# KiCad board MB1075.kicad_pcb (continued)
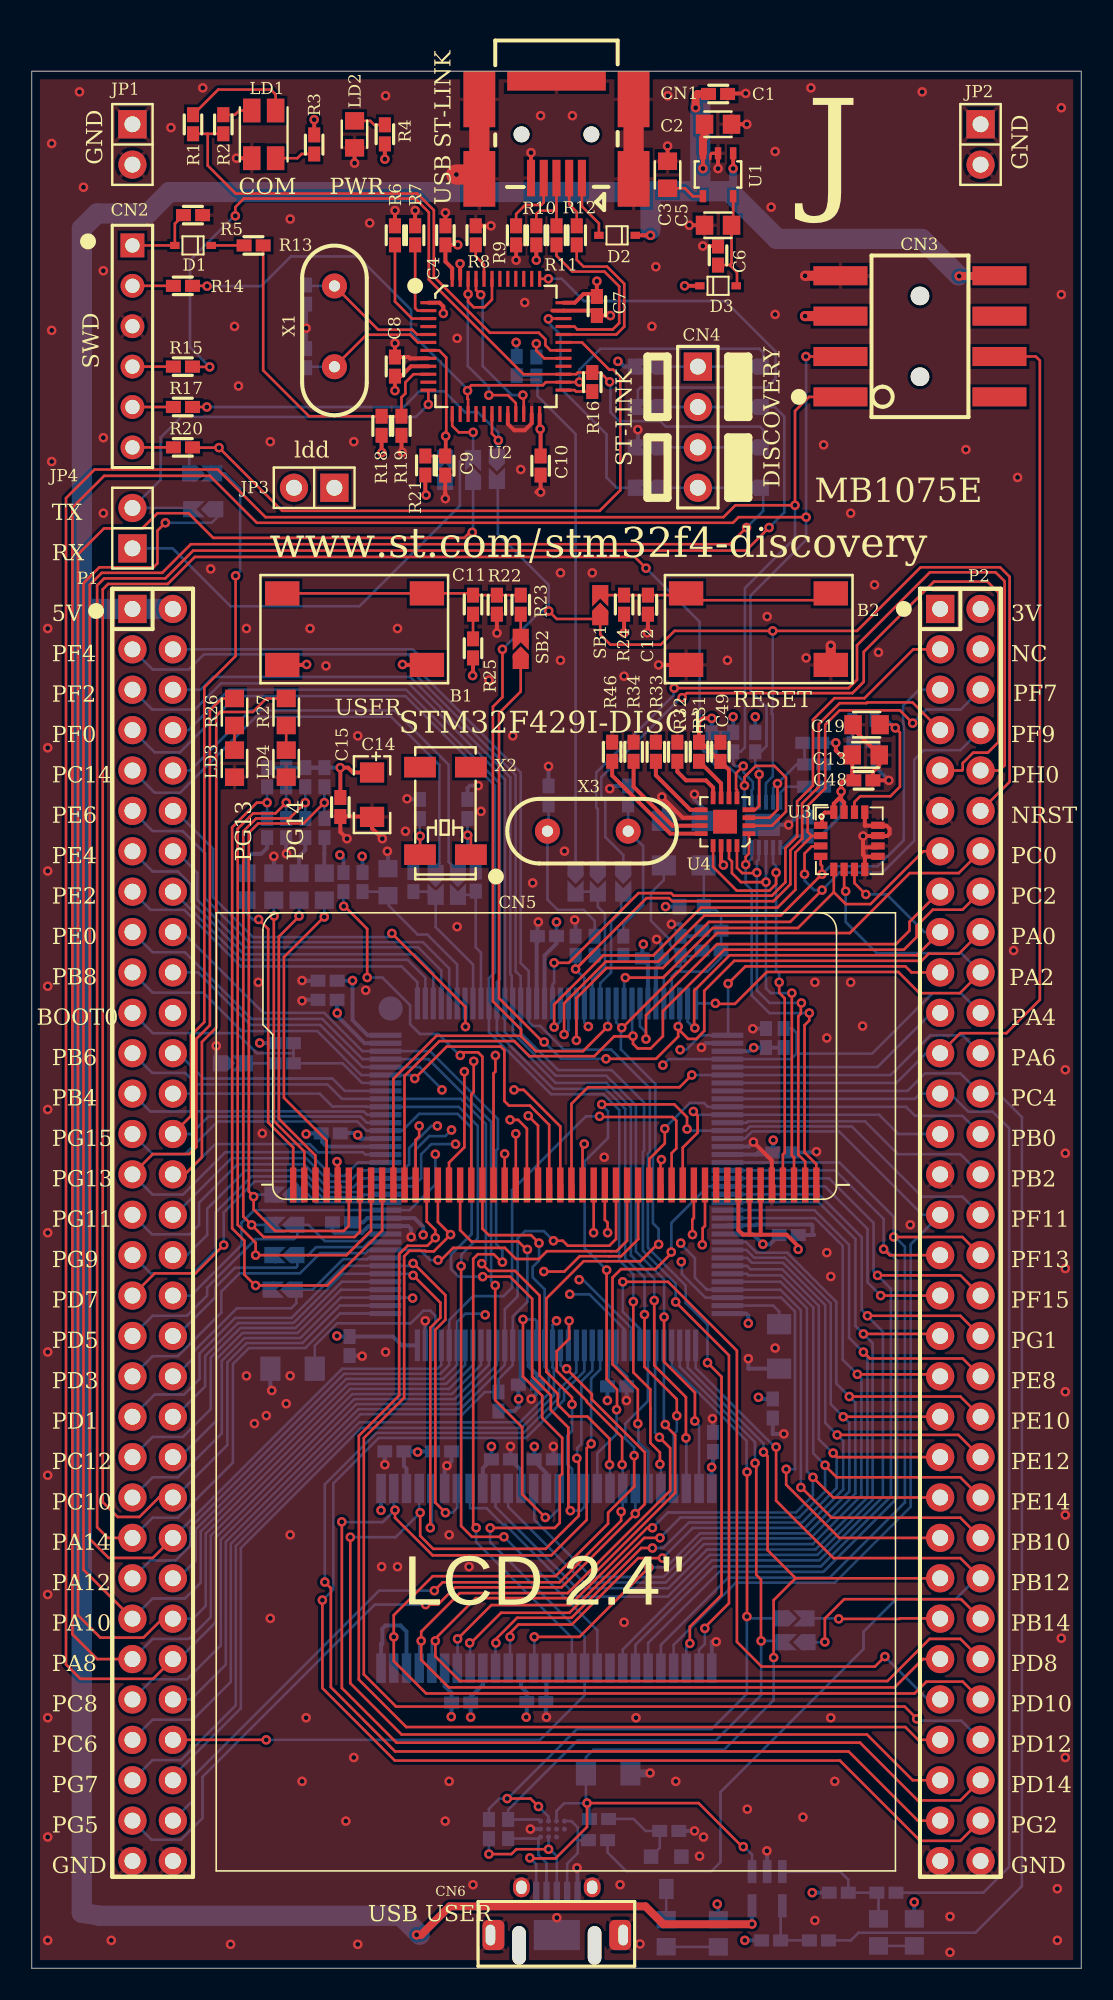
[diagram p0: board, top side]
## Routing (per net, layer and track width the routed paths; a pad name or vN(x,y) marks a point on that pad's centre or on a via; arc(x,y) is an arc through that point) (continued)
NetC24_1: length 5.1
  TOP w0.165: X2.1 27.61,71.31 27.41,71.31 v1(27.41,71.26)
  Bottom w0.165: C24.1 27.4,71.26 v1(27.41,71.26) 27.41,70.27 27.92,69.76 R54.2
NetC25_1: length 11.9
  Bottom w0.165: U5.32 39.75,62.32 40.43,63 40.8,63 40.8,63.65 ; 40.8,63.65 41.8,63.65 R58.2 ; 40.8,63.65 C30.1 40.14,64.36 40.14,64.68 38.94,65.87 38.94,67.62 39.75,68.43 C25.1
NetC26_1: length 12.1
  Bottom w0.165: U5.33 40.25,62.37 40.55,62.67 42.48,62.67 43.35,63.54 R58.1 C31.2 43.35,66.21 43.02,66.54 42.26,66.54 L1.2 42.26,69.3 42.3,69.34 42.3,69.35 C26.1
NetC28_2: length 10.7
  Bottom w0.165: R52.1 22.2,67.7 22.46,67.45 ; 22.46,67.45 22.46,66.81 24.27,65 24.88,65 26.75,63.13 U5.6 ; 22.46,67.45 22.46,67.45 C28.2
NetC41_1: length 4.2
  Bottom w0.165: C41.1 47,41.3 46.63,41.67 U5.71
NetC42_1: length 12
  Bottom w0.165: C42.1 17.8,39.15 19.2,40.55 23.83,40.55 24.63,41.35 25.06,41.35 25.38,41.03 25.38,40.55 25.25,40.42 U5.106
NetC54_1: length 1.4
  Bottom w0.21: C54.1 51.6,77.2 R75.2
NetCN1_2: length 3.2
  TOP w0.165: R12.1 34.27,110.45 33.8,110.92 CN1.2
NetCN1_3: length 5.1
  TOP w0.165: 33,110.52 CN1.3 ; 33,110.52 33,109.57 R11.1 ; 33,110.52 31.94,110.52 31.73,110.32 R10.1
NetCN1_4: length 4.3
  TOP w0.165: R9.1 30.46,110.32 31.03,110.88 32.04,110.88 32.2,111.04 CN1.4
NetCN2_1: length 4.8
  TOP w0.165: CN2.1 D1.1 9,109.7 R5.1
NetCN2_2: length 2.6
  TOP w0.165: CN2.2 R14.1
NetCN2_4: length 2.6
  TOP w0.165: CN2.4 R15.1
NetCN2_5: length 2.6
  TOP w0.165: CN2.5 R17.1
NetCN2_6: length 2.6
  TOP w0.165: CN2.6 R20.1
NetCN4_1: length 5.2
  Bottom w0.165: 39.22,100.72 CN4.1 44.47,100.72
NetCN4_2: length 5.2
  Bottom w0.165: 39.22,98.18 CN4.2 44.47,98.18
NetCN4_3: length 5.2
  Bottom w0.165: 44.47,95.64 CN4.3 39.22,95.64
NetCN4_4: length 5.2
  Bottom w0.165: 44.47,93.1 CN4.4 39.22,93.1
NetCN5_45: length 20.9
  TOP w0.165: 18.65,48.43 18.65,49.26 ; CN5.45 18.54,52.05 15.86,54.74 15.86,63.58 18.38,66.11 v1(18.39,66.11)
  Bottom w0.165: v1(18.39,66.11) R50.2
NetCN5_46: length 20.2
  TOP w0.165: v1(16.81,66.17) 16.81,66.14 15.54,64.87 15.54,53.41 17.84,51.11 CN5.46 ; 17.95,48.43 17.95,49.26
  Bottom w0.165: v1(16.81,66.17) R49.2
NetCN5_47: length 19.6
  TOP w0.165: v1(15.24,66.17) 15.22,66.17 15.22,53.28 17.14,51.36 CN5.47 ; 17.25,48.43 17.25,49.26
  Bottom w0.165: R48.2 15.22,66.17 v1(15.24,66.17)
NetCN5_48: length 20.2
  TOP w0.165: v1(14.27,65.95) 14.87,65.35 14.87,53.18 16.44,51.61 CN5.48 ; 16.55,48.43 16.55,49.26
  Bottom w0.165: R47.2 13.47,66.38 13.9,65.95 v1(14.27,65.95)
NetCN6_2: length 5.7
  Bottom w0.165: 31.9,8.15 U7.D1 ; 31.9,8.15 R64.2 ; 31.9,8.15 31.86,8.12 31.86,7.12 32.37,6.62 CN6.2 ; 32.35,4.75 32.35,4.76
NetCN6_3: length 8.6
  TOP w0.165: v1(28.75,7.18) 30.17,7.18 30.47,7.48 v1(32.5,7.48)
  Bottom w0.165: R63.2 28.75,7.18 v1(28.75,7.18) ; U7.C1 32.5,7.56 33.02,7.04 CN6.3 ; 33,4.75 33,4.76
NetCN6_4: length 6
  Bottom w0.165: U7.A3 33.93,9.25 34.34,8.84 34.34,8.05 ; 34.34,8.05 34.34,7.24 33.67,6.57 CN6.4 ; 34.34,8.05 R67.2 ; 33.65,4.75 33.65,4.76
NetD1_2: length 2.1
  TOP w0.165: D1.2 R13.1
NetLD1_2: length 1.9
  TOP w0.165: LD1.2 13.05,116.82 12.78,116.56 R2.2
NetLD1_3: length 7
  TOP w0.165: R1.2 11.72,118.14 15.03,118.14 15.33,117.84 LD1.3
NetLD1_4: length 2.5
  TOP w0.165: LD1.4 16.7,113.82 16.97,114.09 R3.1
NetLD2_1: length 2
  TOP w0.165: LD2.1 21.28,116.17 21.53,115.92 R4.1
NetLD3_1: length 1.5
  TOP w0.165: LD3.1 R26.2
NetLD4_1: length 1.5
  TOP w0.165: LD4.1 R27.2
NetLD5_1: length 3.3
  Bottom w0.165: R70.1 39.9,1.34 LD5.1
NetLD5_2: length 1.9
  Bottom w0.165: LD5.2 39.9,4.98 T1.3
NetLD6_1: length 2.3
  Bottom w0.165: 53.37,1.4 R73.1
  Bottom w0.5: LD6.1 53.37,1.4
NetLD6_2: length 8.7
  Bottom w0.165: U8.3 50.84,6.07 51.35,5.56 R68.1 R69.1 53.25,4.75 LD6.2
NetP2_51: length 8.6
  TOP w0.165: P2.51 57.13,22 54.61,22 54.58,21.97 v1(50.75,21.97)
  Bottom w0.165: v1(50.75,21.97) 50.75,22 48.6,22
NetP2_52: length 13.7
  TOP w0.165: v1(49.88,20.52) 49.88,22 51.09,23.21 58.44,23.21 P2.52
  Bottom w0.165: 48.5,20.5 49.88,20.5 v1(49.88,20.52)
NetR6_2: length 6.1
  TOP w0.165: U2.3 23.91,103.74 22.84,104.81 R6.2
NetR7_2: length 4.9
  TOP w0.165: R7.2 24.11,104.4 24.27,104.24 U2.2
NetR8_2: length 2.4
  TOP w0.165: R8.2 27.92,107.65 28.44,107.13 U2.44
NetR23_1: length 1.6
  TOP w0.165: 30.75,83.6 R23.1
NetR28_1: length 3.2
  TOP w0.165: U2.29 32.23,101.24 31.73,101.74 v1(31.73,102.16)
  Bottom w0.165: R28.1 v1(31.73,102.16)
NetR31_2: length 2.9
  TOP w0.25: U4.7 43.35,74.52 R31.2
NetR32_1: length 4
  TOP w0.25: R32.1 40.6,75.25 41.15,74.7 42.4,74.7 42.85,74.25 U4.8
NetR33_1: length 4.6
  TOP w0.25: U4.9 41.42,72.85 39.25,75.02 R33.1
NetR34_1: length 6.9
  TOP w0.25: R34.1 37.85,74.3 40.3,71.85 U4.11
NetR46_1: length 8
  TOP w0.25: R46.1 36.5,75.01 40.16,71.35 U4.12
NetR61_1: length 2
  Bottom w0.165: 13.28,56.91 R61.1
NetR65_1: length 5.4
  Bottom w0.165: R65.1 37.85,9.38 38.6,8.63 R66.1 39.49,7.56 T1.1
NetR71_1: length 4.1
  Bottom w0.165: U8.4 47.1,3.93 R71.1 R72.2
NetR74_2: length 2.3
  Bottom w0.165: R74.2 47.45,74.3 47.07,73.92 U9.12
NRST: length 123.3
  TOP w0.165: 35.75,84.85 35.75,85.25 ; 35.75,84.85 35.75,83.87 36.38,83.24 39.56,83.24 40.42,84.1 v1(46.6,84.1) 51.9,84.1 55.9,88.1 60.9,88.1 61.5,87.5 61.5,74.61 P2.12 ; 35.75,84.85 33.01,84.85 v1(32.51,85.35) ; 30.77,58.6 30.73,58.64 25.45,58.64 22.74,55.93 CN5.39 ; 30.77,58.6 31.7,57.67 34.67,57.67 v1(36.22,59.22) ; 30.77,58.6 30.77,59.03 29,60.8 29,79.33 29.6,79.93 v1(29.6,82.94) ; 22.85,48.43 22.85,49.26
  Bottom w0.165: v1(32.51,85.35) 32.51,86.99 29.31,90.2 29.31,93.65 29.25,93.65 ; v1(29.6,82.94) 32,85.34 32.5,85.34 ; v1(46.6,84.1) 46.5,84.1 46.6,84 46.6,79.26 46.54,79.21 46.54,78.91 46.6,78.85 46.6,74.95 46.17,74.53 U9.10 ; U5.25 36.25,59.29 36.18,59.22 v1(36.22,59.22)
OSC_IN: length 9
  TOP w0.165: X1.2 21.79,103.04 23.94,103.04 24.23,102.74 U2.5
  Bottom w0.165: X1.2 17.25,105.79 C16.1
OSC_OUT: length 8.8
  TOP w0.165: U2.6 24.28,102.24 23.79,102.72 21.05,102.72 X1.1
  Bottom w0.165: X1.1 17.25,100.71 C17.1
PA0: length 61.2
  TOP w0.165: 40.65,59.06 40.65,58.58 39.26,57.19 v1(36.12,57.19) ; 40.65,59.06 41.27,58.44 41.79,58.44 42.29,58.94 42.29,61.47 44.18,63.35 55.95,63.35 56.4,63.8 58.31,63.8 P2.18 ; 40.65,59.06 v1(40.65,59.22) ; 30.75,82.5 30.75,80.29 29.39,78.92 29.39,61 32.14,58.24 v1(32.22,58.24)
  Bottom w0.165: U5.34 40.75,59.22 v1(40.65,59.22) ; v1(32.22,58.24) 32.24,58.24 33.29,57.19 v1(36.12,57.19)
PA1: length 28.6
  TOP w0.165: v1(41.7,59.13) 41.66,59.13 41.66,61.48 43.88,63.7 55.67,63.7 P2.17 ; v1(52.45,67.53) 51.74,68.24 51.74,69.08
  Bottom w0.165: v1(52.45,67.53) 53.77,67.53 56.14,65.16 P2.17 ; v1(41.7,59.13) 41.65,59.13 41.25,59.53 U5.35
PA2: length 33.3
  TOP w0.165: P2.20 58.37,61.32 55.83,61.32 54.49,62.65 46.23,62.65 44.22,60.64 42.99,60.64 v1(42.99,60.68) ; v1(51.18,67.73) 51.18,67.57 51.09,67.67 51.09,69.08
  Bottom w0.165: U5.36 42.21,60.67 42.99,60.67 v1(42.99,60.68) ; v1(51.18,67.73) 51.18,65.79 53.14,63.84 58.45,63.84 P2.20
PA4: length 45.6
  TOP w0.165: v1(27.2,56.38) 27.2,51.63 26.24,50.66 CN5.34 ; 26.35,48.43 26.35,49.26
  L3 w0.165: v1(27.2,56.38) 27.22,56.4 39.22,56.4 39.62,56.79 v1(39.69,56.79)
  Bottom w0.165: 48.09,57.52 48.1,57.53 48.1,58.82 47.83,59.09 R60.1 ; 48.09,57.52 52.85,57.52 56.65,61.32 58.43,61.32 P2.22 ; 48.09,57.52 47.74,57.17 40.07,57.17 v1(39.69,56.79)
PA5: length 14.8
  Bottom w0.165: U5.41 53.18,56.67 56.59,60.08 P2.21
PA7: length 64.7
  TOP w0.165: CN3.4 63.14,101.35 63.4,101.1 63.4,60.9 61.3,58.8 58.39,58.8 P2.23
  Bottom w0.165: P2.23 56.24,57.54 54.37,55.67 U5.43
PA8: length 192.5
  TOP w0.165: P1.53 4.11,19.44 2.55,21 2.55,91.85 4.55,93.85 11.2,93.85 14.15,90.9 44.1,90.9 44.45,91.25 v1(48.7,91.25) ; v1(48.69,101.35) CN3.3 ; U4.4 45.5,72.85 45.75,73.1 v1(45.75,75.08)
  Bottom w0.165: U5.100 28.25,37.94 26.42,36.11 20.16,36.11 11.25,27.2 11.25,22.08 9.89,20.71 7.6,20.71 P1.53 ; v1(48.69,101.35) 48.7,101.34 v1(48.7,91.25) 48.7,89.81 45.2,86.31 45.2,80.32 46.21,79.31 46.21,76.86 45.85,76.5 R30.1 45.5,75.65 45.75,75.4 ; v1(45.75,75.08) 45.75,73.35 U9.9
PA9: length 133.3
  TOP w0.165: v1(27.7,90.3) 27.55,90.3 27.2,89.95 11.41,89.95 9.86,91.5 7.9,91.5 6.95,90.55 4.55,90.55 2.9,88.9 2.9,22.2 4.31,20.79 7.02,20.79 8.21,21.98 P1.52
  Bottom w0.165: P1.52 10.14,21.98 10.94,22.78 10.94,27.33 20.03,36.43 26.24,36.43 27.75,37.94 U5.101 ; v1(27.7,90.3) 27.75,90.3 27.75,93.75
PA10: length 109.3
  TOP w0.165: P1.51 3.25,25.06 3.25,87.1 4.25,88.1 7.65,88.1 7.9,88.35 7.9,90.4 v1(8.4,90.9)
  Bottom w0.165: U5.102 27.25,37.94 26.06,36.74 19.9,36.74 10.62,27.46 10.62,24.24 9.63,23.25 7.6,23.25 P1.51 ; 11.25,91.75 11.25,91.86 11.76,91.35 11.31,90.9 v1(8.4,90.9)
PA11: length 50.2
  TOP w0.165: CN5.15 39.54,50.79 v1(39.6,50.85) ; 39.65,48.43 39.65,49.26
  L3 w0.165: v1(28.52,41.09) 29.94,41.09 30.66,41.8 34.08,41.8 35.18,42.9 35.18,44.22 34.6,44.8 34.6,47.12 38.33,50.85 v1(39.6,50.85)
  Bottom w0.165: v1(28.52,41.09) 28.45,41.16 27.26,41.16 26.75,40.65 U5.103 26.75,37.94 25.87,37.06 19.78,37.06 10.31,27.59 10.31,25.63 9.2,24.52 P1.50
PA12: length 57.3
  TOP w0.165: 40.35,48.43 40.35,49.26 ; CN5.14 40.24,51.26 40.53,51.55 40.53,53.3 40.3,53.53 35.71,53.53 v1(35.71,53.57)
  Bottom w0.165: P1.49 7.45,25.64 9.04,25.64 9.99,26.6 9.99,27.72 19.65,37.38 25.69,37.38 26.25,37.94 26.25,40.76 27.75,42.26 29.67,42.26 30.21,42.8 30.21,48.93 34.85,53.57 v1(35.71,53.57)
PA13: length 134.8
  TOP w0.165: P1.48 7.61,25.8 4.83,25.8 3.64,26.99 3.64,86.99 4.4,87.75 8.2,87.75 10,89.55 43.9,89.55 v1(44.95,90.6)
  Bottom w0.165: 45.57,93.1 46,92.66 46,91.65 v1(44.95,90.6) ; U5.105 25.75,37.94 25.51,37.7 19.52,37.7 8.88,27.06 P1.48
PA14: length 140.3
  TOP w0.165: P1.47 4.78,27.06 4.11,27.73 4.11,86.96 4.55,87.4 8.4,87.4 10.15,89.15 44.92,89.15 v1(46.37,90.6)
  Bottom w0.165: v1(46.37,90.6) 47.33,91.56 47.33,97.57 46.72,98.18 45.57,98.18 ; U5.109 19.37,41.17 17.2,39 13.65,39 12.65,38 12.65,31.79 9.19,28.33 7.6,28.33 P1.47
PA15: length 146
  TOP w0.165: v1(44.83,74.38) 44.83,74.91 45.53,75.61 46.7,75.61 47.43,74.88 47.43,72.73 46.55,71.85 U4.2 ; v1(38.63,88.05) 37.93,88.75 10.25,88.75 8.55,87.05 4.8,87.05 4.46,86.71 4.46,29.32 5.4,28.38 6.77,28.38 7.99,29.6 P1.46
  Bottom w0.165: U9.7 44.82,74.57 43.87,75.52 43.12,75.52 42.76,75.89 R45.1 42.29,76.5 42,76.79 42,84.68 v1(38.63,88.05) ; U5.110 19.37,41.67 17.02,39.32 13.52,39.32 12.3,38.1 12.3,32.9 9,29.6 P1.46
PB0: length 26.1
  TOP w0.165: CN5.16 38.84,50.9 39.81,51.87 v1(39.81,52.79) ; 38.95,48.43 38.95,49.26
  Bottom w0.165: P2.28 58.53,53.6 55.55,53.6 54.98,54.17 42.52,54.17 42.28,54.41 41.39,54.41 39.81,52.83 v1(39.81,52.79)
PB1: length 22.1
  TOP w0.165: 41.05,48.43 41.05,49.26 ; CN5.13 40.94,51.61 41.88,52.54 41.88,53.61 v1(41.61,53.88)
  Bottom w0.165: P2.27 54.5,52.46 53.29,53.67 41.82,53.67 41.61,53.88 v1(41.61,53.88)
PB2: length 17.3
  Bottom w0.165: U5.48 44.96,53.17 45.04,53.25 52.41,53.25 54.47,51.19 58.4,51.19 P2.30
PB3: length 58.5
  TOP w0.165: P1.28 10.01,53.6 10.01,58.66 10.85,59.5 10.85,80.55 12.82,82.52 v1(12.82,87.56)
  Bottom w0.165: P1.28 10.01,52.46 11.12,53.56 20.67,53.56 21.07,53.17 U5.133 ; 11.35,94 12.15,94 13.1,93.05 13.1,87.85 v1(12.82,87.56)
PB4: length 16.5
  Bottom w0.165: U5.134 21.08,53.67 20.87,53.88 7.45,53.88 P1.25
PB5: length 59.3
  TOP w0.165: v1(29.69,27.13) 27.68,27.13 27,27.81 v1(27,44.15)
  Bottom w0.165: v1(27,44.15) 27.02,44.15 27.02,44.87 28.05,45.9 28.05,52.97 26.85,54.17 U5.135 21.05,54.17 21.03,54.19 18.91,54.19 18.1,55 P1.26 ; v1(29.69,27.13) 35.57,21.26 U6.37
PB6: length 52.2
  TOP w0.165: v1(36.33,31.66) 36.33,33.3 34.94,34.7 33.83,34.7 33.08,35.44 33.08,36.12 31.94,37.27 31.94,42.3 30.39,43.85 28.76,43.85 28.3,44.31 v1(28.3,44.31)
  Bottom w0.165: v1(28.3,44.31) 28.36,44.31 28.55,44.51 28.55,53.09 26.98,54.67 U5.136 19.51,54.67 18.6,55.58 10.37,55.58 9.65,56.3 7.57,56.3 P1.23 ; v1(36.33,31.66) 36.33,31.73 36.36,31.7 U6.19
PB7: length 14.4
  Bottom w0.165: U5.137 19.69,55.17 18.91,55.95 10.8,55.95 9.21,57.54 P1.24
PB12: length 62.5
  TOP w0.165: v1(46.81,32.78) 46.81,29.4 50.42,25.79 58.4,25.79 P2.50
  Bottom w0.165: P2.50 59.54,24.65 58.11,23.22 54.37,23.22 52.31,21.16 52.31,20.07 43.32,11.08 43.32,6.67 42.74,6.1 37.39,6.1 36.21,7.28 R67.1 ; v1(46.81,32.78) 46.73,32.78 41.75,37.75 U5.73
PB13: length 76.2
  TOP w0.165: v1(46.66,19.54) 46.66,23.14 48.03,24.52 48.05,24.52 ; 48.05,24.52 46.28,26.29 46.28,32.2 v1(46.02,32.46) ; 48.05,24.52 P2.49 ; v1(31.32,6.94) 31.33,6.93 31.3,6.9 32.94,6.9 34.92,8.88 v1(34.92,10.38) 41.94,10.38 44.68,7.64 v1(44.75,7.64)
  Bottom w0.165: v1(46.66,19.54) 46.66,16.86 43.54,13.74 35.32,13.74 34.85,13.27 C53.1 34.85,10.32 34.91,10.37 ; CN6.1 31.72,6.54 v1(31.32,6.94) ; R65.2 35.08,10.38 v1(34.92,10.38) 34.91,10.37 ; U8.1 45.3,7.14 44.8,7.64 v1(44.75,7.64) ; v1(46.02,32.46) 46.02,33 41.25,37.76 U5.74 ; 34.91,10.37 33.49,10.37 33,9.89 U7.B3 ; 31.7,4.75 31.7,4.76
PB14: length 47.3
  TOP w0.165: v1(45.87,20.58) 45.86,20.58 45.86,24.44 45.56,24.74 45.56,31.7 45.5,31.76 v1(45.49,31.76)
  Bottom w0.165: U7.D3 31.9,9.35 R64.1 29.96,9.96 34.33,14.33 43.03,14.33 45.87,17.17 v1(45.87,20.58) 47.32,20.58 47.4,20.5 ; U5.75 40.75,37.82 45.48,33.08 45.48,31.76 v1(45.49,31.76)
PB15: length 49.9
  TOP w0.165: v1(44.97,22.12) 44.98,22.12 v1(44.98,31.21) ; v1(31.86,10.17) 31.37,10.67 v1(29.9,10.67)
  Bottom w0.165: v1(44.98,31.21) 44.98,31.08 44.95,31.11 44.95,33.17 40.25,37.87 U5.76 ; 44.97,22 v1(44.97,22.12) ; 44.97,22 44.97,17.25 42.76,15.04 34.29,15.04 29.92,10.67 v1(29.9,10.67) 29.4,10.67 28.75,10.02 R63.1 ; 44.97,22 47.5,22 ; v1(31.86,10.17) 32.5,9.53 U7.C3
PC0: length 65
  TOP w0.165: v1(37.1,59.14) 37.14,59.14 43.1,65.1 51.45,65.1 55.22,68.87 58.3,68.87 P2.14 ; v1(39.42,45.52) 39.34,45.52 38.28,44.46 36.18,44.46 36.18,44.46 34.7,44.46 32.36,42.12 32.36,37.5 33.98,35.89 v1(33.98,35.45)
  Bottom w0.165: 37.05,59.19 37.1,59.14 v1(37.1,59.14) ; 37.05,59.19 37.05,57.78 39.22,55.61 39.22,51.22 39.07,51.07 39.07,46.85 39.42,46.49 v1(39.42,45.52) ; 37.05,59.19 36.75,59.49 U5.26 ; v1(33.98,35.45) 33.98,33.78 33.67,33.48 33.67,31.69 33.98,31.39 33.98,30.17 U6.16
PC1: length 26.8
  TOP w0.165: 50.44,67.67 51.19,66.92 52.75,66.92 56.07,70.24 P2.13 ; 50.44,67.67 50.44,69.08 ; 50.44,67.67 48.19,65.42 42.82,65.42 39.7,62.29 v1(37.33,62.29)
  Bottom w0.165: U5.27 37.25,62.29 v1(37.33,62.29)
PC2: length 53.8
  TOP w0.165: CN5.38 23.44,56.11 25.64,58.3 30.35,58.3 31.3,57.35 35.38,57.35 36.63,58.6 37.81,58.6 ; P2.16 58.54,66.57 56.67,66.57 55.65,65.54 55.65,64.85 54.85,64.05 43.55,64.05 39.69,60.19 39.69,58.61 38.92,57.84 38.11,57.84 37.81,58.13 37.81,58.6 ; 37.81,58.6 v1(37.81,58.62) ; 23.55,48.43 23.55,49.26
  Bottom w0.165: v1(37.81,58.62) 37.75,58.68 U5.28
PC3: length 25.9
  TOP w0.165: v1(38.63,58.43) 38.63,59.93 43.1,64.4 54.35,64.4 55.2,65.25 55.2,65.8 57.08,67.69 57.08,67.7 P2.15
  Bottom w0.165: v1(38.63,58.43) 38.63,58.85 38.25,59.23 U5.29
PC4: length 82.1
  Bottom w0.165: R72.1 51.51,1.75 51.99,2.23 59.34,2.23 62.27,5.16 62.27,53.52 60.8,55 P2.26 58.4,56.27 56.18,56.27 55.08,55.17 U5.44
PC5: length 73
  Bottom w0.165: U5.45 55.54,54.67 55.87,55 P2.25 57.19,54.94 57.82,54.94 58.89,53.87 60.43,53.87 61.47,52.82 61.47,6.37 59.84,4.75 R69.2
PC6: length 54.5
  TOP w0.165: CN5.33 26.94,46.41 27.65,45.7 30.6,45.7 31.1,45.2 v1(31.17,45.2)
  Bottom w0.165: v1(31.17,45.2) 31.17,41.91 30.25,40.98 30.25,37.94 29.35,37.04 R62.1 28.49,36.23 27.1,34.84 20.67,34.84 12.52,26.68 12.52,18.01 10.14,15.63 7.6,15.63 P1.57
PC8: length 36.8
  Bottom w0.165: P1.55 7.6,18.17 9.76,18.17 11.89,20.3 11.89,26.94 20.42,35.48 26.79,35.48 29.25,37.94 U5.98
PC9: length 194
  TOP w0.165: 44.29,73.66 U4.5 44.35,74.1 44.29,74.15 44.29,75.15 v1(44.75,75.6) ; P1.54 7.63,18.2 3.05,18.2 2.15,19.1 2.15,92.45 3.95,94.25 11.7,94.25 14.7,91.25 43.5,91.25 44.25,92 v1(48,92) 48,97.93 48.89,98.81 CN3.1
  Bottom w0.165: v1(48,92) 48,89.94 44.85,86.79 44.85,76.78 44.58,76.5 R29.1 44.11,75.73 44.24,75.6 v1(44.75,75.6) 44.75,75.21 45.36,74.6 45.36,74.15 45.27,74.07 U9.8 ; U5.99 28.75,37.94 26.6,35.79 20.29,35.79 11.57,27.07 11.57,21.76 9.06,19.24 8.9,19.4 8.87,19.4 P1.54
PC10: length 44.7
  TOP w0.165: CN5.17 38.14,45.85 37.06,44.77 36.31,44.77 36.31,44.77 34.46,44.77 33.49,43.81 v1(32.2,43.81)
  L3 w0.165: v1(23.95,42.14) 29.7,42.14 31.37,43.81 v1(32.2,43.81)
  Bottom w0.165: v1(23.95,42.14) 23.95,42.17 U5.111 19.43,42.17 16.89,39.63 13.38,39.63 11.95,38.2 11.95,33.63 9.19,30.87 7.6,30.87 P1.45
PC11: length 20
  Bottom w0.165: P1.44 9.31,32.14 11.6,34.43 11.6,38.3 13.25,39.95 16.72,39.95 19.45,42.67 U5.112
PC12: length 22.4
  Bottom w0.165: P1.43 7.6,33.41 9.51,33.41 11.25,35.16 11.25,38.4 12.85,40 12.85,40 13.11,40.26 16.59,40.26 19.5,43.17 U5.113
PC13: length 28.2
  TOP w0.165: v1(27.27,59.21) 27.27,60.45 v1(22.65,65.07)
  Bottom w0.165: v1(27.27,59.21) 27.25,59.21 U5.7 ; v1(22.65,65.07) 22.41,64.84 13.91,64.84 11.4,67.35 11.4,70.4 9.02,72.78 P1.12
PC14: length 30.3
  Bottom w0.165: 25.4,68.6 25.4,69.27 25.63,69.5 25.63,75.67 22.6,78.7 14.1,78.7 9.32,73.92 7.73,73.92 P1.9
PC14-OSC32_IN: length 9.4
  Bottom w0.165: U5.8 27.75,63.12 25.4,65.47 25.4,67.7 R53.1
PC15: length 27.7
  Bottom w0.165: 26.8,68.6 26.8,68.98 26.22,69.56 26.22,75.68 22.8,79.1 13.74,79.1 9.96,75.32 8.9,75.32 8.9,75.35 P1.10
PC15-OSC32_OUT: length 8.6
  Bottom w0.165: 26.8,67.5 28,67.5 R54.1 27.92,64.2 28.25,63.87 U5.9
PD2: length 17.8
  Bottom w0.165: U5.116 21.19,44.67 21.1,44.59 19.58,44.59 17.66,42.67 16.65,42.67 ; 16.36,42.94 16.65,42.94 16.65,42.67 ; P1.40 9.02,37.22 10.15,38.35 10.15,38.75 12.9,41.5 16.32,41.5 16.64,41.82 SB25.1 16.65,42.67
PD4: length 16.9
  Bottom w0.165: U5.118 21.19,45.67 20.87,45.35 17.89,45.35 17.38,44.84 16.7,44.84 ; 16.7,44.84 16.7,44.15 16.6,44.05 12.78,44.05 11.54,42.81 11.54,42.19 9.11,39.76 P1.38 ; 16.7,44.84 16.36,44.84
PD5: length 20.5
  Bottom w0.165: U5.119 21.19,46.17 20.75,45.73 18.42,45.73 17.41,46.75 16.7,46.75 ; 16.7,46.75 16.36,46.75 ; 16.7,46.75 16.7,46.05 16.51,45.86 14.08,45.86 11.03,42.81 11.03,42.3 9.76,41.03 7.6,41.03 P1.37
PD7: length 21.9
  TOP w0.165: P1.35 7.73,43.7 10.29,43.7 v1(12.07,45.47)
  Bottom w0.165: 16.6,49.35 16.47,49.48 14.02,49.48 12.07,47.53 v1(12.07,45.47) ; 16.6,49.35 16.6,48.65 16.36,48.65 ; 16.6,49.35 16.74,49.21 SB22.1 17.38,48.65 17.86,48.17 U5.123
PD11: length 57.1
  TOP w0.165: CN5.11 42.34,46.68 42.19,46.53 42.19,45.52 v1(42.17,45.5) ; v1(37.17,43.16) 40.02,43.16 44.35,38.84 44.35,20.52 45.9,18.97 53.03,18.97 v1(53.66,19.6)
  L3 w0.165: v1(42.17,45.5) 42.17,44.23 41.47,43.53 37.53,43.53 v1(37.17,43.16)
  Bottom w0.165: U5.80 38.25,40.2 37.17,41.28 v1(37.17,43.16) ; P2.55 56.35,16.9 v1(53.66,19.6)
PD12: length 90.9
  TOP w0.165: CN5.35 25.54,46.93 v1(26.34,46.13) 25.28,45.08 24.78,45.08 24.75,45.12 23.76,45.12 23.42,44.77 23.42,35.88 20.88,33.34 20.88,18.48 22.91,16.45 54.9,16.45 55.65,15.7 v1(55.65,15.68)
  L3 w0.165: v1(26.34,46.13) 26.5,46.3 33.15,46.3 33.5,45.95 33.5,45.25 34.42,44.33 v1(34.42,43.3)
  Bottom w0.165: U5.81 37.75,40.22 34.67,43.3 v1(34.42,43.3) ; P2.58 58.46,15.57 55.77,15.57 v1(55.65,15.68)
PD13: length 88.2
  TOP w0.165: P2.57 55.74,14.36 54.94,15.17 23.55,15.17 20.57,18.15 20.57,33.48 23.1,36.01 23.1,44.9 23.63,45.43 24.88,45.43 v1(25.38,45.93) 25.38,46.42 24.84,46.96 CN5.36
  L3 w0.165: v1(25.38,45.93) 25.88,45.43 30.12,45.43 30.9,44.65 32.88,44.65 33.83,43.7 v1(33.83,42.38)
  Bottom w0.165: U5.82 37.25,40.2 35.07,42.38 v1(33.83,42.38)
PE0: length 56.2
  TOP w0.165: v1(29.15,42.94) 29.15,35.71 30.84,34.02 30.84,29.8 v1(32.29,28.35)
  Bottom w0.165: U6.15 33.17,28.91 32.6,28.35 v1(32.29,28.35) ; v1(29.15,42.94) 28.89,43.19 28.89,53.14 28.94,53.18 24.95,57.17 U5.141 20.8,57.17 18.27,59.7 13.82,59.7 9.63,63.89 7.6,63.89 P1.17
PE1: length 65
  TOP w0.165: v1(29.6,44.4) 29.55,44.4 29.05,44.9 28.05,44.9 27.76,44.61 27.76,27.88 v1(27.95,27.7)
  Bottom w0.165: v1(27.95,27.7) 27.95,26.8 33.97,20.78 U6.39 ; v1(29.6,44.4) 29.6,45.14 29.21,45.53 29.21,51.43 29.32,51.54 29.32,53.4 25.04,57.67 U5.142 20.8,57.67 18.39,60.08 14.56,60.08 9.48,65.16 P1.18
PE2: length 21.6
  Bottom w0.165: P1.15 7.47,66.56 9.59,66.56 13.14,63 23.25,63 24.25,62 U5.1
PE3: length 19.7
  Bottom w0.165: P1.16 8.89,67.7 13.18,63.41 23.63,63.41 24.75,62.3 U5.2
PE4: length 24.6
  Bottom w0.165: U5.3 25.25,62.59 24.08,63.76 13.34,63.76 10.03,67.07 10.03,68.12 9.19,68.97 7.6,68.97 P1.13
PE5: length 23.1
  Bottom w0.165: U5.4 25.75,62.75 24.29,64.21 13.38,64.21 10.41,67.18 10.41,68.89 9.06,70.24 P1.14
PE6: length 27.9
  Bottom w0.165: P1.11 7.6,71.51 9.49,71.51 10.9,70.1 10.9,67.28 13.66,64.53 24.6,64.53 26.25,62.87 U5.5
PF6: length 40.1
  TOP w0.165: v1(32.85,63.23) 33.77,63.23 38.16,67.61 40.21,67.61 40.37,67.45 46.55,67.45 47.39,68.29 47.39,70.43 48.13,71.17 48.13,73.38 49.13,74.37 49.13,78.51 50.48,79.87 52.37,79.87 55.44,82.94 P2.3
  Bottom w0.165: v1(32.85,63.23) 32.85,61.96 32.75,61.86 U5.18
PF7: length 62.1
  TOP w0.165: v1(24.36,52.97) 24.36,52.31 24.14,52.09 CN5.37 ; v1(32.85,59.18) 32.85,60.6 35.94,63.69 39.09,63.69 42.1,66.7 46.9,66.7 48.02,67.82 48.02,70.17 49.06,71.2 ; 24.25,48.43 24.25,49.26 ; v1(55.4,78.3) 54.6,79.1 50.8,79.1 49.9,78.2 49.9,74.2 48.8,73.1 48.8,71.46 49.06,71.2 ; 49.06,71.2 49.61,71.2
  L3 w0.165: v1(24.36,52.97) 24.91,53.51 24.91,56.66 26.54,58.29 27.94,58.29 28.83,59.18 v1(32.85,59.18)
  Bottom w0.165: U5.19 33.25,59.55 32.85,59.15 v1(32.85,59.18) ; P2.6 58.42,79.15 56.25,79.15 v1(55.4,78.3)
PF8: length 42
  TOP w0.165: 49.61,69.9 49.61,69.4 49.7,69.31 v1(49.7,68.8) 47.1,66.2 42.3,66.2 39.4,63.3 36.1,63.3 33.48,60.68 v1(33.48,58.72)
  Bottom w0.165: v1(49.7,68.8) 50.2,69.3 53.2,69.3 54.84,70.94 54.84,78.22 54.8,78.26 54.8,79.4 55.8,80.4 P2.5 ; U5.20 33.75,58.99 v1(33.48,58.72)
PF9: length 59.2
  TOP w0.165: 29.15,48.43 29.16,48.43 29.16,49.26 ; v1(48.6,68.8) 48.6,70.1 49.05,70.55 49.61,70.55 ; CN5.30 29.04,56.27 29.16,56.39 v1(29.16,57.4) ; v1(34.25,58.35) 34.25,61 36.15,62.9 39.69,62.9 42.59,65.8 47.7,65.8 v1(49.7,67.8)
  L3 w0.165: v1(29.16,57.4) 29.16,57.35 33.26,57.35 v1(34.25,58.35)
  Bottom w0.165: v1(34.25,58.35) U5.21 ; P2.8 58.41,76.6 56.1,76.6 55.5,76 55.5,70.9 53.5,68.9 50.8,68.9 v1(49.7,67.8) 49.2,67.8 48.6,68.4 v1(48.6,68.8)
PF10: length 58.7
  TOP w0.165: P2.7 55.39,79.6 52.55,79.6 52.5,79.55 50.81,79.55 49.5,78.24 49.5,74.3 48.45,73.25 48.45,71.04 47.71,70.3 47.71,68.16 46.65,67.1 40.27,67.1 40.08,67.29 38.66,67.29 v1(34.2,62.83) 35.3,63.93 ; v1(27.79,57.03) 27.79,55.09 27.64,54.94 CN5.32
  L3 w0.165: v1(35,59.22) 35,58.14 33.67,56.81 28.01,56.81 v1(27.79,57.03)
  Bottom w0.165: v1(35,59.22) 34.75,59.47 U5.22 34.75,62.27 34.2,62.82 v1(34.2,62.83) R55.1
PF11: length 54
  TOP w0.165: v1(41.21,52.77) 41.21,53.52 40.41,54.32 v1(35.84,54.32) ; v1(36.15,43.9) 36.15,37.05 36.81,36.4 36.81,35.3 36.98,35.12 v1(36.78,35.12)
  Bottom w0.165: v1(35.84,54.32) 35.84,54.28 36.24,53.88 36.24,52.21 34.77,50.75 34.77,45.28 v1(36.15,43.9) ; v1(36.78,35.12) 36.78,33.6 35.57,32.38 U6.18 ; P2.32 58.53,48.52 55.98,48.52 51.57,52.94 45.17,52.94 44.9,52.67 U5.49 41.21,52.67 v1(41.21,52.77)
PG2: length 79.7
  TOP w0.165: P2.62 58.4,8.01 55.87,8.01 50.82,13.06 22.83,13.06 18.28,17.61 v1(18.28,23.15)
  Bottom w0.165: v1(18.28,23.15) 18.3,23.15 18.96,23.81 18.96,30.49 21.81,33.35 31.08,33.35 33.48,35.74 33.48,36.27 34.75,37.54 U5.87
PG3: length 75.4
  TOP w0.165: P2.61 55.72,9.28 51.37,13.63 22.85,13.63 18.81,17.67 18.81,23.9 v1(18.43,24.28)
  Bottom w0.165: v1(18.43,24.28) 18.43,30.43 21.66,33.66 30.93,33.66 33.16,35.89 33.16,36.4 34.25,37.49 U5.88
PG4: length 53.2
  TOP w0.165: v1(37.06,28.71) 37.06,28.14 33.19,24.27 25.84,24.27 v1(25.32,23.74) ; v1(33.79,40.71) 33.79,39.58 33.01,38.8 33.01,37.57 34.91,35.67 34.91,35.61 37.13,33.39 v1(37.13,31.66)
  Bottom w0.165: v1(37.13,31.66) 37.17,31.66 U6.20 37.17,28.71 v1(37.06,28.71) ; P1.62 10.09,10.5 10.09,11.99 21.84,23.74 v1(25.32,23.74) ; v1(33.79,40.71) 33.75,40.71 U5.89
PG5: length 56.9
  TOP w0.165: v1(33.64,37.7) 33.64,37.69 35.22,36.1 35.22,35.77 38.56,32.44 38.56,29.19 v1(37.95,28.58) 33.32,23.95 26.63,23.95 25.54,22.87 v1(24.77,22.87)
  Bottom w0.165: P1.61 7.53,8.08 9.38,8.08 10.74,9.44 10.74,12.04 21.57,22.87 v1(24.77,22.87) ; v1(33.64,37.7) 33.48,37.7 33.25,37.92 U5.90 ; v1(37.95,28.58) 37.97,28.58 U6.21
PG6: length 60
  TOP w0.165: CN5.12 41.64,47.18 41.54,47.08 41.54,46.15 v1(41.55,46.14)
  L3 w0.165: v1(33,40.71) 33.54,41.25 34.41,41.25 37.03,43.87 41.25,43.87 41.55,44.17 v1(41.55,46.14)
  Bottom w0.165: v1(33,40.71) 32.75,40.46 32.75,37.79 32.84,37.7 32.84,36.02 30.8,33.98 20.7,33.98 13.15,26.42 13.15,16.35 8.87,12.07 P1.60
PG7: length 83.2
  TOP w0.165: v1(26.95,57.4) 27.14,57.6 28.07,57.6 28.34,57.32 CN5.31 28.34,46.51 28.75,46.1 31.4,46.1 v1(31.9,45.6) ; v1(21.09,62.3) 21.09,65.36 19.67,66.78 v1(19.62,66.78)
  Bottom w0.165: v1(31.9,45.6) 31.9,44.5 31.5,44.1 31.5,43.45 32.25,42.7 U5.92 32.25,37.81 32.52,37.54 32.52,36.15 30.7,34.33 20.61,34.33 12.83,26.55 12.83,16.53 9.39,13.09 7.6,13.09 P1.59 ; R51.1 19.6,66.78 v1(19.62,66.78) ; v1(26.95,57.4) 26.92,57.4 25.57,58.75 24.41,58.75 23.79,59.36 23.79,60.56 22.05,62.3 v1(21.09,62.3)
PG8: length 60.9
  TOP w0.165: P1.58 v1(14.74,14.36) ; v1(28.83,27.69) 32.89,27.69 33.2,28 33.2,30.94 33.36,31.09 33.36,33.35 32.1,34.6 32.1,36 30.89,37.21 v1(30.89,40.8)
  Bottom w0.165: v1(14.74,14.36) 31.96,14.36 34.77,17.16 U6.38 34.77,20.86 28.83,26.8 v1(28.83,27.69) ; U5.93 31.75,40.69 31.64,40.8 v1(30.89,40.8)
PG9: length 21
  Bottom w0.165: P1.33 7.47,43.7 10.14,43.7 11.54,45.09 11.54,47.51 13.82,49.79 16.93,49.79 18.24,48.49 18.43,48.49 20.76,48.49 20.93,48.65 22.23,48.65 U5.124
PG13: length 52.9
  TOP w0.165: P1.29 7.61,51.2 9.9,51.2 10.35,51.65 10.35,58.45 11.2,59.3 11.2,79.1 11.95,79.85 R26.1
  Bottom w0.165: P1.29 7.6,48.65 9.51,48.65 12.17,51.32 17.38,51.32 18.87,49.83 19.67,49.83 20.51,50.67 U5.128
PG14: length 49.7
  TOP w0.165: R27.1 14.75,79.85 13.9,79 11.85,79 11.6,78.75 11.6,59.15 10.7,58.25 10.7,51 9.62,49.92 P1.30
  Bottom w0.165: P1.30 9.63,49.92 11.54,51.83 17.49,51.83 18,51.31 20.84,51.31 20.98,51.17 U5.129
PG15: length 55.5
  TOP w0.165: v1(33.87,28.77) 33.75,28.9 33.75,34 32.64,35.1 32.64,36.03 31.47,37.2 31.47,42.1 30.08,43.49 v1(28.36,43.49)
  Bottom w0.165: P1.27 7.6,51.19 9.63,51.19 11.69,53.25 20.48,53.25 21.05,52.67 U5.132 23.3,52.67 24.36,53.73 26.78,53.73 27.67,52.84 27.67,46.17 26.36,44.87 26.36,43.97 26.84,43.49 v1(28.36,43.49) ; v1(33.87,28.77) 34.53,28.77 34.77,29.01 U6.17
PH0: length 52.4
  TOP w0.165: v1(40.4,80.5) 51.37,80.5 51.9,81.03 51.9,83.2 56.48,87.78 60.62,87.78 61.18,87.22 61.18,75.64 60.86,75.32 P2.10
  Bottom w0.165: 35.6,68.8 35.49,68.8 35.49,69.19 ; v1(40.4,80.5) 40.37,80.47 40.37,80.06 35.5,75.19 35.5,73 35.6,72.9 SB19.1
PH0-OSC_IN: length 9.6
  Bottom w0.165: 36.05,63.7 36.05,66.3 35.6,66.75 35.6,67.7 34.2,67.7 ; 36.05,63.7 36.05,62.97 35.25,62.17 U5.23 ; 36.05,63.7 R56.1
PH1: length 52.3
  TOP w0.165: P2.9 58.5,75.32 58.55,75.36 58.55,75.78 59.21,76.44 60.13,76.44 60.79,77.1 60.79,86.51 60.1,87.2 56.74,87.2 52.32,82.78 52.32,80.9 51.61,80.18 41.18,80.18 v1(40.9,79.9)
  Bottom w0.165: 37.27,69.19 37.27,68.8 37.2,68.8 ; v1(40.9,79.9) 40.82,79.9 35.81,74.89 35.81,73.62 36.07,73.36 36.07,71.13 37.2,70 SB20.1
PH1-OSC_OUT: length 8.4
  Bottom w0.165: U5.24 35.75,61.94 36.43,62.62 36.43,63.7 ; 37.2,67.7 37.06,67.56 37.06,66.43 36.43,65.8 36.43,63.7 ; 36.43,63.7 R57.1
STLINK_RX: length 32.4
  TOP w0.165: v1(27.76,96.59) 26.85,96.59 26.44,97 U2.13
  Bottom w0.165: v1(27.76,96.59) 27.75,96.59 27.75,94.89 ; 27.75,94.89 27.75,94.85 ; 27.75,94.89 27.05,94.89 26.93,94.77 26.93,91.97 20.61,85.65 12.5,85.65 8.86,89.29 JP4.1
STLINK_TX: length 27.6
  TOP w0.165: v1(24.94,98.34) 24.94,98.34 U2.12
  Bottom w0.165: 10.15,91.75 10.07,91.83 JP4.2 8.1,93.6 8.1,96.26 9.4,97.56 24.15,97.56 v1(24.94,98.34)
STM_JTCK: length 28.5
  TOP w0.165: U2.37 32.49,106.24 v1(32.49,106.25)
  Bottom w0.165: 38.11,98.18 38.11,99.24 38.28,99.4 46.21,99.4 46.78,99.97 46.78,101.67 43.6,104.85 34.72,104.85 33.32,106.25 v1(32.49,106.25)
STM_JTMS: length 14.7
  TOP w0.165: U2.34 32.67,103.74 32.49,103.74 v1(32.49,103.72)
  Bottom w0.165: 38.11,93.1 36.79,93.1 36.14,93.74 36.14,96.47 33.25,99.36 33.25,102.71 32.49,103.47 v1(32.49,103.72)
STM_RST: length 13.1
  TOP w0.165: U2.7 25.62,101.74 26.06,101.29 26.06,95.02 26.02,94.97 26.03,94.97 v1(26.03,96.35) 26,96.32 C9.2 R21.1
  Bottom w0.165: 26,94.85 26,96.35 v1(26.03,96.35)
SWIM: length 10.7
  TOP w0.165: v1(30.88,98.93) 30.94,98.87 U2.22 ; v1(28.23,105.24) 28.37,105.24 28.37,105.1 27.94,105.53 U2.45
  Bottom w0.165: v1(28.23,105.24) 28.36,105.24 28.36,100.75 30.18,98.93 v1(30.88,98.93)
SWIM_IN: length 14.1
  TOP w0.165: v1(27.44,105.28) 27.44,105.28 ; 27.44,105.28 27.44,104.81 27.8,104.45 28.46,104.45 28.94,104.93 U2.43 ; 27.44,105.28 U2.46 ; U2.21 30.44,98.43 29.94,98.92 v1(28.75,98.92)
  Bottom w0.165: v1(27.44,105.28) 27.42,105.28 27.42,100.75 28.75,99.43 v1(28.75,98.92)
T_JTCK: length 45.5
  TOP w0.165: v1(34.44,99.75) 34.44,99.74 U2.26 32.33,99.74 32.14,99.55 27.64,99.55 27.34,99.24 27.33,99.24 27.3,99.21 v1(27.41,99.21) 27.41,98.7 27.44,98.67 U2.15 ; R14.2 11.02,105.8 v1(11.02,105.78)
  Bottom w0.165: 45.57,100.72 46,101.16 46,101.6 45.76,101.84 35.76,101.84 34.44,100.52 v1(34.44,99.75) ; v1(27.41,99.21) 27.41,99.29 23.85,102.85 23.85,104.3 20.5,107.65 16.3,107.65 14.43,105.78 v1(11.02,105.78)
T_JTMS: length 57.4
  TOP w0.165: v1(12.8,110.2) 12.8,110.75 13.34,111.29 24.11,111.29 24.97,110.43 24.97,106.19 30.92,100.24 U2.27 34.23,100.24 34.34,100.35 R16.2 35.75,100.35 v1(36.34,99.76) ; v1(11.19,100.7) 10.11,100.7 R15.2
  Bottom w0.165: v1(11.19,100.7) 9.95,101.94 9.95,107.4 12.75,110.2 v1(12.8,110.2) ; 45.57,95.64 46,96.08 46,96.75 45.8,96.95 39.87,96.95 39.53,97.29 36.95,97.29 36.4,97.84 36.4,99.78 36.34,99.83 v1(36.34,99.76)
T_NRST: length 24.4
  TOP w0.165: v1(29.34,96.08) 29.36,96.08 28.94,96.5 U2.18 ; R17.2 v1(11.01,98.18)
  Bottom w0.165: v1(11.01,98.18) 23.39,98.18 24.37,99.16 25.94,99.16 27.25,97.85 28.05,97.85 29.34,96.56 v1(29.34,96.08) 29.34,95.89 29.25,95.8 29.25,94.75
T_SWDIO_IN: length 1.8
  TOP w0.165: U2.25 34.15,99.24 34.24,99.15 R16.1
T_SWO: length 44.1
  TOP w0.165: U2.31 34.6,102.24 36.32,100.53 36.56,100.53 37.01,100.08 37.01,92.95 35.71,91.65 15.75,91.65 v1(11.77,95.62) 10.12,95.62 R20.2
  Bottom w0.165: 10.25,94 9.9,94.35 9.9,95.2 10.32,95.62 v1(11.77,95.62)
U5V: length 4
  TOP w0.165: CN1.1 34.6,110.8 35.67,109.73 D2.1
USB_DM: length 11.3
  TOP w0.165: U2.32 36.77,102.74 37.26,103.23 37.26,105.93 36.18,107.01 34.7,107.01 34.27,107.44 R12.2
USB_DP: length 11.5
  TOP w0.165: U2.33 34.13,103.24 34.31,103.06 36.53,103.06 36.94,103.47 36.94,105.77 36.01,106.7 33.99,106.7 33,107.69 R11.2
XL: length 27.5
  TOP w0.165: CN5.2 48.64,50.73 48.2,51.16 48.2,59.86 48.37,60.03 48.37,60.67 v1(48.4,60.7) ; v1(45.6,68.9) 45.57,68.87 44.68,68.87 44.35,69.2 U4.16 ; 48.75,48.43 48.75,49.26
  Bottom w0.165: v1(48.4,60.7) 46.4,60.7 45.6,61.5 45.6,69.6 45.72,69.72 U9.4
XR: length 29.2
  TOP w0.165: CN5.4 47.24,51.17 47.35,51.28 47.35,61 47.01,61.34 v1(47.01,62) ; U4.13 42.85,69.25 44.33,67.77 46.4,67.77 46.81,68.18 v1(46.81,68.9) ; 47.35,48.43 47.35,49.26
  Bottom w0.165: U9.2 46.62,69.49 46.81,69.3 v1(46.81,68.9) 46.81,62.77 47.01,62.58 v1(47.01,62)
YD: length 27.8
  TOP w0.165: CN5.1 49.34,50.56 48.6,51.3 48.6,59.3 48.9,59.6 v1(48.9,60.07) ; 49.45,48.43 49.45,49.26 ; v1(44.9,69.4) 44.9,69.89 45.1,70.09 U4.1
  Bottom w0.165: v1(48.9,60.07) 48.89,60.06 46.4,60.06 45.28,61.18 45.28,67.8 44.9,68.17 v1(44.9,69.4) 45.27,69.77 U9.5
YU: length 27.7
  TOP w0.165: 48.05,48.43 48.05,49.26 ; v1(46.17,68.3) 44.6,68.3 44.03,68.87 44.03,69.59 43.85,69.78 U4.15 ; v1(47.8,61.32) 47.8,51.12 47.94,50.98 CN5.3
  Bottom w0.165: v1(47.8,61.32) 46.48,61.32 46.17,61.62 v1(46.17,68.3) U9.3

## Copper pours and planes (outline as drawn; the poured copper is in the pictures)
3V on L3: 10,119.3 66,119.3 66,1 0,1 0,119.3
GND on TOP: 0,0 66,0 66,119.3 0,119.3
GND on Bottom: 0,0 66,0 66,119.3 0,119.3
GND on L2: 0,0 66,0 66,119.3 0,119.3
VDD on L3: 18.19,84 18.19,96 11,96 11,79.8 20.4,79.8 20.4,71.9 19.2,71.9 19.2,63.5 7.6,63.5 7.6,56.6 13.93,56.6 13.93,52.2 20.5,52.2 20.5,47.7 14.1,47.7 14.1,37.6 21.6,37.6 21.6,34.9 49.2,34.9 49.2,44.29 46.56,44.29 46.56,46.38 44.5,46.38 44.5,50.8 50,50.8 50,67.75 39.5,67.75 39.5,84

## Text on the board
Bottom: BOTTOM LAYER
CARTOUCHE F1: DATE: | 30/04/2013 | STM32F429-discovery | S.M.E.E. | MB1075E
Bot Paste: PASTE MASK BOTTOM LAYER
Bot Silk: SILKSCREEN BOTTOM LAYER | JP4 | CN2 | JP1 | OC | JP2 | P1 | JP3 | CN4 | P2 | VBUS | SWD | GND | USB USER | RESERVED | DEFAULT | PH1 | PF10 | RX | TX | 5V | PF4 | PF2 | PF0 | PC14 | PE6 | PE4 | PE2 | PE0 | PB8 | PB6 | PB4 | PG15 | PG9 | PD7 | PD5 | PD3 | PD1 | PC12 | PC10 | PA14 | PA12 | PA10 | PA8 | PC8 | PC6 | PG7 | PG5 | PG13 | PG11 | BOOT0 | PE3 | PF3 | PF5 | PF1 | PE5 | PE1 | PC9 | PB3 | PB5 | PC7 | PB9 | PB7 | PA9 | PD2 | PD6 | PD0 | PD4 | PG8 | PG6 | PG4 | VDD | PC13 | PC15 | PC11 | PA13 | PA15 | PA11 | PG12 | PG10 | PG14 | ldd | PF6 | PF8 | 3V | PC1 | PC3 | PA1 | PA3 | PA5 | PA7 | PC5 | PB1 | PF12 | PF14 | PG0 | PE7 | PE9 | PE11 | PE13 | PE15 | PB11 | PB13 | PB15 | PD9 | PD11 | PD13 | PD15 | PG3 | NC | PF7 | PF9 | PH0 | NRST | PC0 | PC2 | PA0 | PA2 | PA4 | PA6 | PC4 | PB0 | PB2 | PF11 | PF13 | PF15 | PG1 | PE8 | PE10 | PE12 | PE14 | PB10 | PB12 | PB14 | PD8 | PD10 | PD12 | PD14 | PG2 | F | K | C | G | H | E | I
User.Drawings: 500 | 2 | 4 | 6 | 140 | 660 Total | 0.30mm | 0.60mm | 0.65mm | 0.70mm | 0.85mm | 0.90mm | 1.00mm | 1.20mm | = Routed Path Length + Tool Size = Slot length as defined in the PCB layout | = Calculated from tool start centre position to tool end centre position. | PTH | NPTH | TOP - Bottom | Slot definitions : | Routed Path Length | Hole Length | Layer | 1 | 3 | Name | Top Silk | Top Solder | TOP | Dielectric 1 | L2 | Dielectric2 | L3 | Dielectric3 | Bottom | Bottom Solder | Bot Silk | Material | Solder Resist | Copper | FR-4 | Thickness | 0.010mm | 0.012mm | 0.127mm | 0.035mm | 1.200mm | Cu base | Symbol | Hit Count | Finished Hole Size | Plated | Drill Layer Pair
TOP: TOP LAYER
PERCAGES: DRILL DRAWING
Top Paste: PASTE MASK TOP LAYER
Top Silk: SILKSCREEN TOP LAYER | CN6 | BOOT0 | TX | RX | 5V | PF4 | PF2 | PF0 | PC14 | PE6 | PE4 | PE2 | PE0 | PB8 | PB6 | PB4 | PG15 | PG13 | PG11 | PG9 | PD7 | PD5 | PD3 | PD1 | PC12 | PC10 | PA14 | PA12 | PA10 | PA8 | PC8 | PC6 | PG7 | PG5 | GND | COM | ldd | PWR | USER | USB USER | RESET | PA2 | 3V | NC | PF9 | PH0 | NRST | PC0 | PC2 | PA0 | PA4 | PA6 | PC4 | PB0 | PB2 | PF11 | PF13 | PF15 | PG1 | PE8 | PE10 | PE12 | PE14 | PB10 | PB12 | PB14 | PD8 | PD10 | PD12 | PD14 | PG2 | PF7 | SWD | PG14 | USB ST-LINK | ST-LINK | DISCOVERY | STM32F429I-DISC1 | MB1075E | www.st.com/stm32f4-discovery | J
L2: INNER LAYER 2
L3: INNER LAYER 3
Top Assy: ASSEMBLY TOP LAYER
Top Mask: SOLDER MASK TOP LAYER
Z: MECHANICAL DRAWING | 7 | 1 | 8 | 2
Bot Assy: SN | RoHS | ASSEMBLY BOTTOM LAYER | P1 | P2
Bot Mask: SOLDER MASK BOTTOM LAYER
CARTOUCHE FX: DATE: | 30/04/2013 | STM32F429-discovery | MB1075E | S.M.E.E.
